# Altium PCB PCB1.PcbDoc (continued)
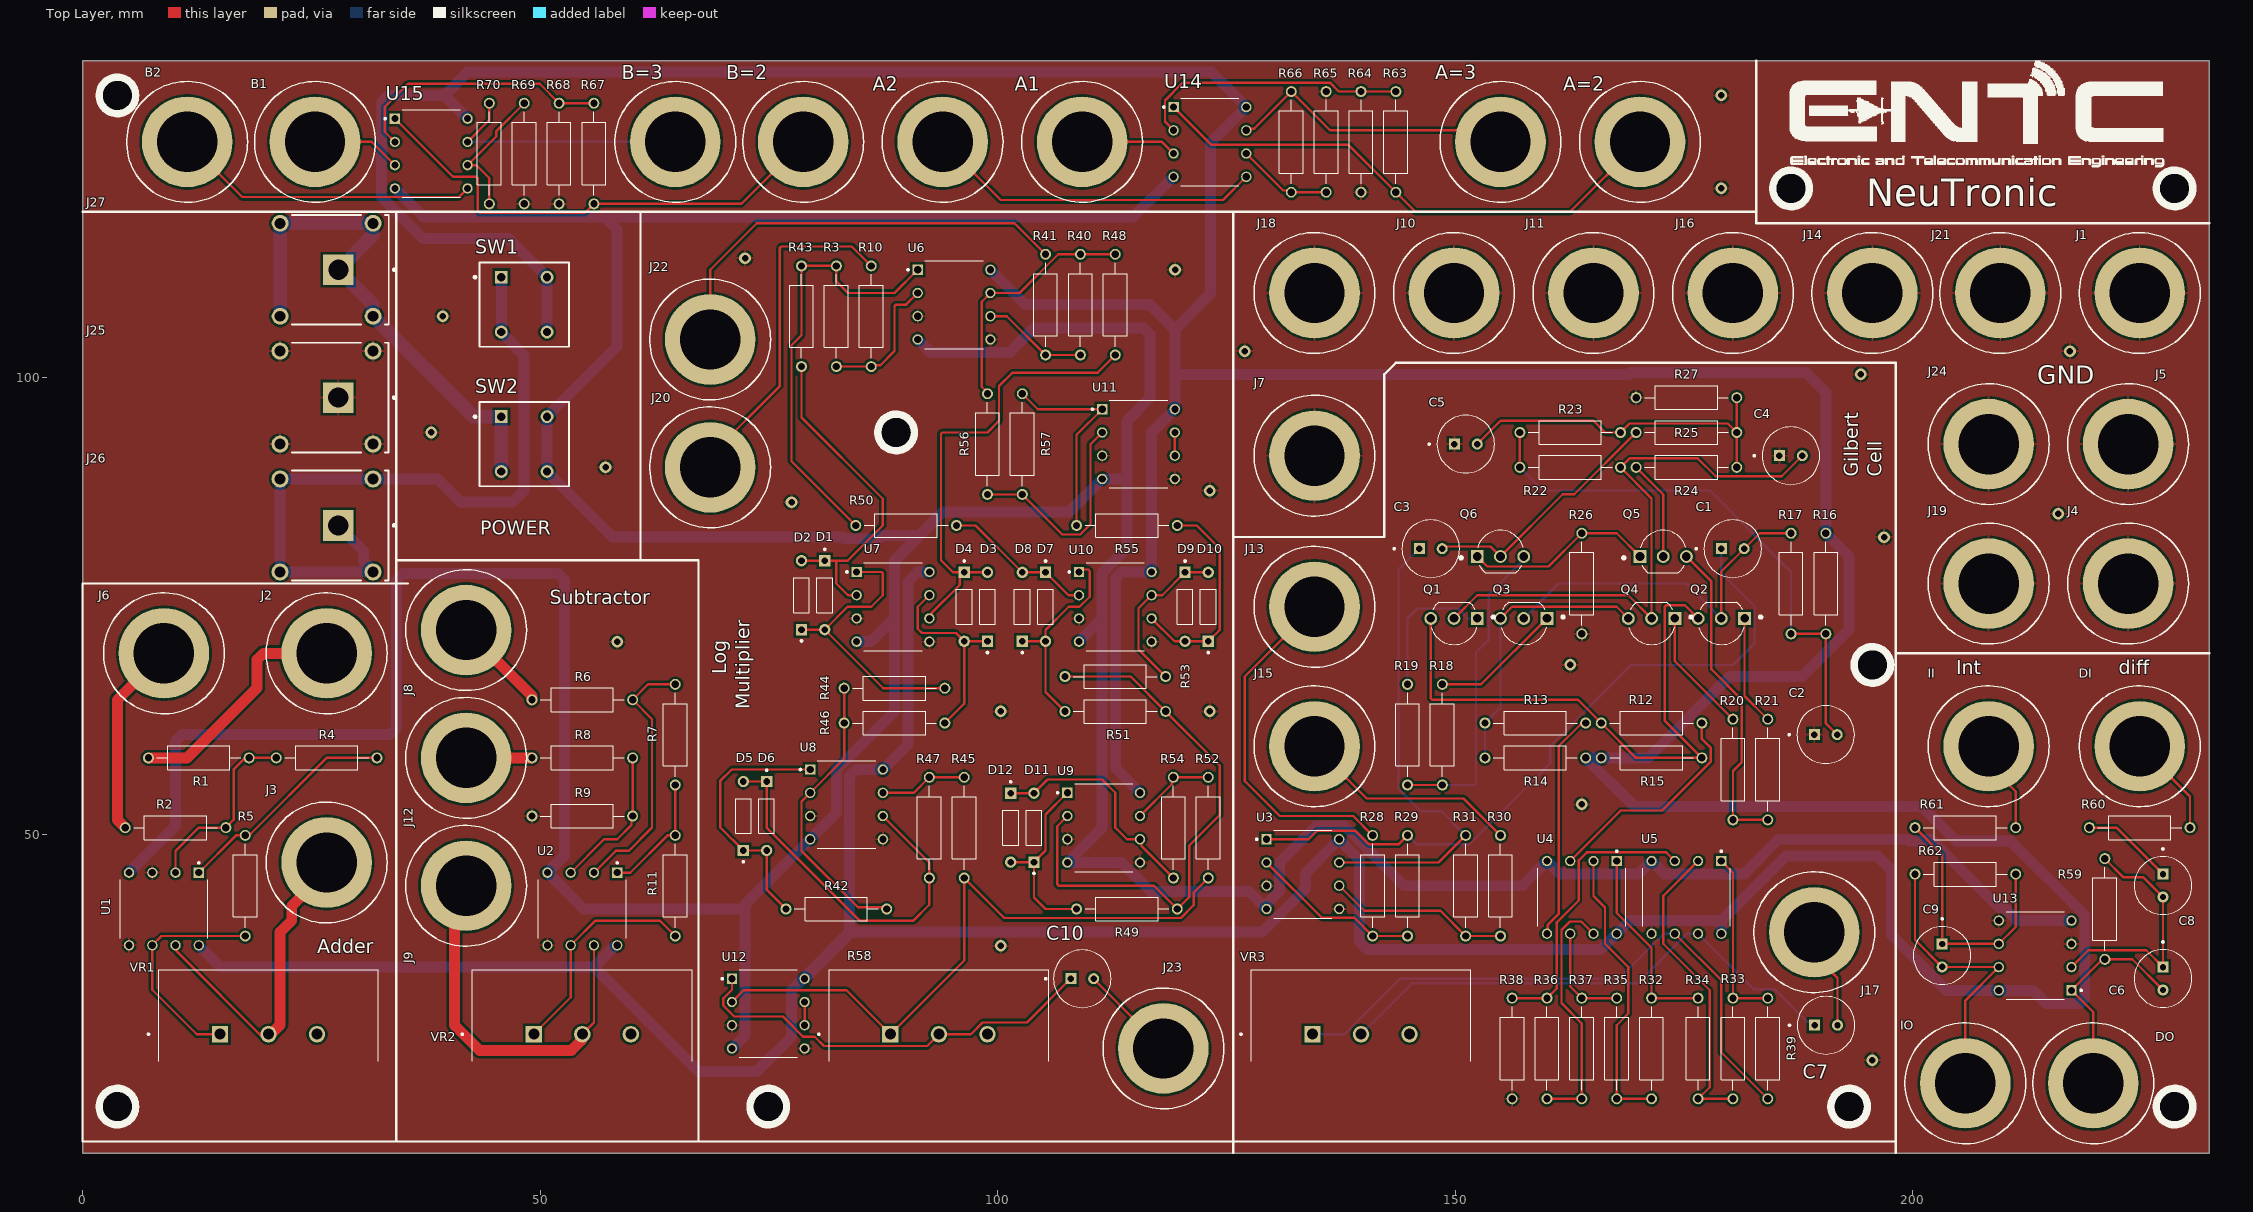
[diagram p0: Top Layer view]
## Components (designator, comment, footprint, x,y, rotation, side; value= is the part's Value field where it differs from the comment) (continued)
VR1 "PTN24A-A10025EB" TRIM_PTN24A-A10025EB 20.32,28.225 r0 top
VR2 "PTN24A-A10025EB" TRIM_PTN24A-A10025EB 54.61,28.225 r0 top
VR3 "PTN24A-A10025EB" TRIM_PTN24A-A10025EB 139.7,28.225 r0 top

## Footprints (in the part's own frame and the unit in brackets; to place one, negate y for a bottom-side part, rotate by r counter-clockwise, add the part's x,y. Pads: shape width x height; smd on the part's side, far side on the other; paste and mask are expansions set on the pad)
CAPPRD250W50D630H1250 [mm]
  round 1.208 hole 0.7: N(1.25,0)
  rect 1.208x1.208 / inner round 1.208 / far side rect 1.208x1.208 hole 0.7: P(-1.25,0)
  silkscreen extent -4.1,-3.15 3.15,3.15, body extent -3.15,-3.15 3.15,3.15, height 12.5
DIOAD753W49L380D172B [mm]
  round 1.238 hole 0.73: A(3.768,0)
  rect 1.238x1.238 / inner round 1.238 / far side rect 1.238x1.238 hole 0.73: K(-3.768,0)
  silkscreen extent -5.1,-0.86 1.9,0.86, body extent -4,-0.95 4,0.95, height 1.91
DIP794W45P254L959H508Q8 [mm]
  rect 1.13x1.13 / inner round 1.13 / far side rect 1.13x1.13 hole 0.78: 1(-3.97,3.81)
  round 1.13 hole 0.78: 2(-3.97,1.27) 3(-3.97,-1.27) 4(-3.97,-3.81) 5(3.97,-3.81) 6(3.97,-1.27) 7(3.97,1.27) 8(3.97,3.81)
  silkscreen extent -5.13,-4.8 3.18,4.8, body extent -4.15,-4.79 4.15,4.79, height 5.08
FP-1581-5-MFG [mm]
  round 9.9 hole 6.6 paste-2539.97 mask+0: 1(0,0)
  silkscreen extent -6.6,-6.6 6.6,6.6, body extent -6.7,-6.7 6.7,6.7, height 0.25
FP-FCR7350B-MFG [mm]
  rect 3.35x3.35 hole 2.2 paste-2539.97 mask+0: 1(11,0)
  round 1.85 hole 1.2 paste-2539.97 mask+0: 2(4.64,5.08) 3(14.8,5.08) 4(4.64,-5.08) 5(14.8,-5.08)
  silkscreen extent 5.94,-6 17.22,6, body extent -16.6,-6.1 16.6,6.1, height 0.25
FP-PVA1EEH11_2NV2-MFG [mm]
  rect 1.4x1.4 hole 0.9 paste-2539.97 mask+0: 1(-2.5,3)
  round 1.4 hole 0.9 paste-2539.97 mask+0: 1'(-2.5,-3) 2(2.5,3) 2'(2.5,-3)
  silkscreen extent -5.5,-4.6 4.9,4.6, body extent -5,-4.7 5,4.7, height 0.25
RESAD1100W55L680D260 [mm]
  round 1.2 hole 0.8: 1(-5.5,0) 2(5.5,0)
  silkscreen extent -4.58,-1.3 4.58,1.3, body extent -5.77,-1.2 5.77,1.2, height 2.4
TO92254P520H877-3 [mm]
  rect 1.41x1.41 / inner round 1.41 / far side rect 1.41x1.41 hole 0.94: 1(-2.54,-0.853)
  round 1.41 hole 0.94: 2(0,-0.853) 3(2.54,-0.853)
  silkscreen extent -4.44,-2.62 2.47,2.01, body extent -2.83,-1.43 2.83,2.19, height 8.77
TRIM_PTN24A-A10025EB [mm]
  rect 1.8x1.8 / inner round 1.8 / far side rect 1.8x1.8 hole 1.2: 1(-5.3,0)
  round 1.8 hole 1.2: 2(0,0) 3(5.3,0)
  silkscreen extent -13.22,-2.95 12,7.05, body extent -12.19,-27.66 12.16,7.34, height 12.2

## Part data
A1 A2 A=2 A=3 B1 B2 B=2 B=3 DI DO II IO J1 J2 J3 J4 J5 J6 J7 J8 J9 J10 J11 J12 J13 J14 J15 J16 J17 J18 J19 J20 J21 J22 J23 J24: library part CMP-73906-000011-1, "CONN BANANA JACK TURRET GREEN", Color=Green, Current Rating=15A, Package Quantity=1, Voltage Rating=2.5kV, Voltage Rating (AC)=30V, Voltage Rating (DC)=60V, Body Material=PC, Contact Material=Brass, Contact Plating=Tin, Diameter=4.22mm, Gender=Female, Height=0.25inch, Housing Color=Green, Housing Material=Polycarbonate, Insulation="Mating End Insulated", Insulation Material=Polycarbonate, Lead Free="Lead Free", Length=1.22inch, Max Current Rating=15A, Mount=Panel, Number of Contacts=1, Number of Ports=1, Number of Positions=1, Orientation=Straight, Packaging=Bag, REACH SVHC="No SVHC", RoHS Compliant=Yes, Series=1581, Termination=Turret, Weight=0.126lb, Width=4inch
C1 C2 C3 C4 C5 C7 C10: "CAP ALUM 680UF 20% 63V THRU HOLE", Package="RADIAL-2 Panasonic", Availability="In Stock", Check_prices=https://www.snapeda.com/parts/EEU-FS1J681S/Panasonic/view-part/5562022/?ref=eda, MF="Panasonic Electronic Components", MP=EEU-FS1J681S, Price=None, SnapEDA_Link=https://www.snapeda.com/parts/EEU-FS1J681S/Panasonic/view-part/5562022/?ref=snap
C6 C8 C9: library part EEUFS1J681S, "CAP ALUM 680UF 20% 63V THRU HOLE", Package="RADIAL-2 Panasonic", Availability="In Stock", Check_prices=https://www.snapeda.com/parts/EEU-FS1J681S/Panasonic/view-part/5562022/?ref=eda, MF="Panasonic Electronic Components", MP=EEU-FS1J681S, Price=None, SnapEDA_Link=https://www.snapeda.com/parts/EEU-FS1J681S/Panasonic/view-part/5562022/?ref=snap
D1 D2 D3 D4 D5 D6 D7 D8 D9 D10 D11 D12: "Diode Standard 75V 200mA Surface Mount SOD-523F", Package="AXIAL LEAD-2 ON Semiconductor", Check_prices=https://www.snapeda.com/parts/1N4148/Onsemi/view-part/?ref=eda, MF="ON Semiconductor", MP=1N4148, SnapEDA_Link=https://www.snapeda.com/parts/1N4148/Onsemi/view-part/?ref=snap
J25 J26 J27: library part CMP-213418-000001-1, "4MM PANEL SKT S16N-PC BLACK", Color=Black, Current Rating=24A, Voltage Rating=1kV, Connector Type=Socket, Contact Material=Gold, Contact Plating=Gold, Gender=Receptacle, Height=1.3inch, Insulation Material=PVC, Length=0.47inch, Mount="Through Hole", Pin Diameter=4mm, REACH SVHC="No SVHC", RoHS Compliant=Yes, Termination="Through Hole", Voltage Rating (DC)=1kV, Weight=0.1lb, Width=0.43inch
Q1 Q2 Q3 Q4 Q5 Q6: "Transistor General Purpose BJT NPN 40 Volt 0.2 Amp 3-Pin TO-92 Tape And Reel", Package="TO-92-3 ON Semiconductor", Check_prices=https://www.snapeda.com/parts/2N3904TF/Fairchild+Imaging/view-part/?ref=eda, MF="Fairchild Semiconductor", MP=2N3904TF, SnapEDA_Link=https://www.snapeda.com/parts/2N3904TF/Fairchild+Imaging/view-part/?ref=snap
R1 R2 R3 R4 R5 R6 R7 R8 R9 R10 R11 R12 R13 R14 R15 R16 R17 R18 R19 R20 R21 R22 R23 R24 R25 R26 R27 R28 R29 R30 R31 R32 R33 R34 R35 R36 R37 R38 R39 R40 R41 R42 R43 R44 R45 R46 R47 R48 R49 R50 R51 R52 R53 R54 R55 R56 R57 R59 R60 R61 R62 R63 R64 R65 R66 R67 R68 R69 R70: "1.07 kOhms Â±1% 0.25W, 1/4W Through Hole Resistor Axial - Metal Film", Package="RADIAL-2 YAGEO", Check_prices=https://www.snapeda.com/parts/MFR-25FBF52-1K/Yageo/view-part/?ref=eda, MF=Yageo, MP=MFR-25FBF52-1K, SnapEDA_Link=https://www.snapeda.com/parts/MFR-25FBF52-1K/Yageo/view-part/?ref=snap
R58 VR1 VR2 VR3: "100k Ohm 1 Gang Linear Panel Mount Potentiometer 1.0 Turns Carbon 0.5W, 1/2W PC Pins", Package=Package, Check_prices=https://www.snapeda.com/parts/PTN24A-A10025EB/Same+Sky/view-part/?ref=eda, MF="Same Sky", MP=PTN24A-A10025EB, SnapEDA_Link=https://www.snapeda.com/parts/PTN24A-A10025EB/Same+Sky/view-part/?ref=snap
SW1 SW2: library part CMP-10035-000009-1, "SWITCH PUSH DPST 0.1A 32V", Current Rating=100mA, Max Operating Temperature=85°C, Min Operating Temperature=-40°C, Voltage Rating (DC)=32V, Electrical Life=100000Cycles, Mount="Through Hole", Packaging=Bulk, RoHS Compliant=Yes, Series=PVA, Switch Function=Off-On, Termination="PC Pin", Throw Configuration=DPST
U1 U2 U3 U4 U5 U6 U7 U8 U9 U10 U11 U12 U13 U14 U15: "Dual, 30-V, 10-MHz, low-noise operational amplifier for audio applications", Package="PDIP-8 Texas", Check_prices=https://www.snapeda.com/parts/NE5532P/Texas+Instruments/view-part/?ref=eda, MF="Texas Instruments", MP=NE5532P, SnapEDA_Link=https://www.snapeda.com/parts/NE5532P/Texas+Instruments/view-part/?ref=snap

## Free pads (board coordinates)
  round 1.524 hole 3.2: 13(228.6,120.65) 14(228.6,20.32) 15(3.81,130.81) 16(3.81,20.32) 17(74.93,20.32) 18(193.04,20.32) 19(186.69,120.65) 20(88.9,93.98) 21(195.58,68.58)

## Via types
v1: diameter 1.27, hole 0.711, Top Layer to Bottom Layer, 21 vias

## Nets (pads, with @x,y where several pads share a name; then routed paths per layer and width w, separated by ;. In a path a pad name is that pad's centre, name@x,y a point inside that pad or via, vN(x,y) a via of type N, cw(c..) or ccw(c..) an arc to the next point about the centre after c; other vN are vias at no path point)
+12: R14.2 R15.2 R16.2 SW1.2 SW1.2' U1.8 U2.8 U3.8 U4.8 U5.8 U6.8 U7.8 U8.8 U9.8 U10.8 U11.8 U12.8 U13.8 U14.8 U15.8 | length 759.2
  Bottom Layer w1.2: U1.8 15.08,35.56 55.88,35.56 ; U15.8 39.53,130.81 ; SW1.2' SW1.2 46.526,115.184 37.216,115.184 32.676,119.724 32.676,124.116 32.711,124.151 32.711,130.107 33.414,130.81 39.53,130.81 ; U2.8@58.144,37.824 55.88,35.56 ; U12.8 83.98,39.37 128.896,39.37 133.651,44.125 133.651,45.861 U3.8 138.062,48.788 138.062,48.745 139.516,47.291 139.516,38.348 140.368,37.496 165.926,37.496 U4.8 169.07,40.64 179.07,40.64 ; U7.8 91.26,78.74 90.174,77.654 90.174,59.874 U8.8 84.539,57.15 83.824,56.436 83.824,39.374 78.82,34.37 77.481,33.031 77.481,27.951 73.66,24.13 67.31,24.13 55.88,35.56 ; U6.8 103.01,107.95 116.66,107.95 119.36,105.25 ; U9.8 112.85,57.31 112.85,78.037 113.553,78.74 U10.8 116.82,93.98 U11.8 119.36,100.33 ; U5.8 179.07,40.64 ; 39.53,130.81 42.07,133.35 123.35,133.35 U14.8 123.26,125.64 123.26,109.15 119.36,105.25 ; 119.36,100.33 119.36,105.25 ; 119.36,100.33 168.91,100.33 169.094,100.514 188.343,100.514 190.5,98.357 R16.2 193.04,80.43 193.04,72.454 187.896,67.31 179.974,67.31 171.084,58.42 R15.2 R14.2 169.566,53.104 200.989,53.104 204.747,49.346 210.68,49.346 218.784,41.242 218.784,32.136 218.249,31.601 214.529,31.601 213.11,33.02 U13.8 203.698,33.02 197.666,39.052 197.666,46.174 196.126,47.714 186.144,47.714 179.07,40.64
+u3in: R36.2 R38.2 U5.3 | length 31.5
  Top Layer w0.254: R38.2 R36.2 161.106,33.256 161.106,40.456 163.506,42.856 163.506,47.229 164.373,48.096 173.044,48.096 U5.3
+u4in: R12.2 U4.3 | length 24.5
  Top Layer w0.254: U4.3 168.076,52.666 172.583,52.666 177.931,58.014 177.931,59.503 176.95,60.484 R12.2
+u5in: R13.2 U4.5 | length 25
  Top Layer w0.254: U4.5 160.088,39.278 160.088,40.156 161.29,41.358 161.29,59.69 163.649,62.049 164.069,62.049 R13.2
-12: SW2.2 SW2.2' U1.4 U2.4 U3.4 U4.4 U5.4 U6.4 U7.4 U8.4 U9.4 U10.4 U11.4 U12.4 U13.4 U14.4 U15.4 | length 611.6
  Bottom Layer w1.2: U1.4 10.16,50.96 10.16,60.257 10.863,60.96 33.587,60.96 34.29,61.663 34.29,77.853 34.993,78.556 51.979,78.556 52.682,77.853 52.682,47.762 U2.4 54.77,41.91 72.39,41.91 ; U15.4 37.274,117.506 55.88,117.506 57.051,117.506 ; U12.4 72.39,28.1 72.39,34.29 72.379,34.301 72.379,35.209 ; 72.39,35.709 72.39,41.91 ; U7.4 86.18,71.12 88.72,73.66 ; U6.4 92.679,102.721 101.271,102.721 103.96,105.41 115.957,105.41 116.66,104.707 116.66,97.79 114.12,95.25 114.12,88.9 ; U10.4 111.396,73.636 ; U14.4 114.806,117.506 57.051,117.506 ; U13.4 211.397,40.64 209.978,42.059 209.401,42.059 201.975,49.485 200.981,49.485 200.842,49.346 199.638,49.346 199.454,49.53 185.337,49.53 181.538,45.731 172.869,45.731 U5.4 170.031,45.731 161.439,45.731 U4.4 157.32,44.45 144.414,44.45 139.516,49.348 139.516,49.39 137.922,50.984 134.804,50.984 130.799,46.979 130.799,43.862 129.38,42.443 U3.4 127.444,43.846 116.687,43.846 113.543,46.99 U9.4 111.396,50.776 111.396,73.636 ; 57.051,117.506 58.42,116.137 58.42,103.37 SW2.2 SW2.2' 57.92,82.55 83.021,82.55 83.205,82.366 86.963,82.366 87.331,82.734 91.444,82.734 ; 72.39,41.91 72.39,42.41 U8.4 82.37,52.39 82.37,57.15 88.72,63.5 88.72,73.66 ; 88.72,73.66 88.72,80.01 91.444,82.734 ; 91.444,82.734 93.984,85.274 107.794,85.274 U11.4 114.12,88.9 ; 111.396,73.636 111.396,78.639 114.12,81.363 114.12,88.9
-u3in: R33.1 R34.2 U5.2 | length 34
  Top Layer w0.254: U5.2 172.72,43.34 172.72,38.1 177.8,33.02 177.8,22.44 R34.2 R33.1
-u4in: R32.1 R35.2 U4.2 | length 31.9
  Top Layer w0.254: U4.2 165.1,43.339 166.37,42.069 166.37,38.1 168.91,35.56 168.91,30.48 167.64,29.21 R35.2 R32.1
-u5in: R35.1 R37.2 U4.6 | length 11.4
  Top Layer w0.254: U4.6 162.56,33.44 R37.2 R35.1
-u6in: R39.1 U5.6 VR3.1 | length 66.4
  Top Layer w0.254: U5.6 179.063,34.137 179.063,26.257 R39.1
  Bottom Layer w0.254: VR3.1 137.888,28.225 143.953,34.29 167.867,34.29 172.788,39.21 U5.6
-Vy: R55.1 R57.2 U11.1 | length 23.3
  Top Layer w0.254: R57.2 104.38,96.52 U11.1 108.62,93.72 R55.1
GND: C2.P C4.P C5.P J1.1 J4.1 J5.1 J7.1 J10.1 J11.1 J14.1 J16.1 J18.1 J19.1 J21.1 J24.1 J25.1 J25.2 J25.3 J25.4 J25.5 R9.1 R26.1 R27.1 R38.1 R64.1 R65.1 R68.1 R69.1 U1.3 U1.5 U2.5 U3.3 U3.5 U5.5 U6.3 U6.5 U7.3 U7.5 U8.3 U8.5 U9.3 U9.5 U10.3 U10.5 U11.3 U11.5 U12.3 U12.5 U13.3 U13.5
  other v1: 195.58,25.4 100.33,37.881 163.83,53.34 100.33,63.5 123.19,63.5 162.56,68.58 58.42,71.12 196.85,82.55 215.9,85.09 77.47,86.36 123.19,87.63 57.15,90.17 38.1,93.98 194.31,100.33 127,102.87 217.17,102.87 39.37,106.68 119.38,111.76 72.39,113.03 179.07,120.65 179.07,130.81
NEGIN: J27.1 J27.2 J27.3 J27.4 J27.5 SW2.1 SW2.1' | length 58.2
  Bottom Layer w1.5: J27.4 J27.2 J27.3 31.683,116.773 31.683,115.493 J27.1 31.683,108.027 31.683,106.747 J27.5 42.72,95.71 SW2.1 SW2.1'
NetA1_1: A1.1 U14.3 | length 11.8
  Top Layer w0.254: A1.1 117.95,125.73 U14.3 ; A1.1@110.49,124.46 A1.1@110.49,125.73
NetA2_1: A2.1 U14.5 | length 36.9
  Top Layer w0.254: A2.1 100.33,119.38 124.62,119.38 U14.5
NetA=2_1: A=2.1 R63.2 U14.1 | length 58.9
  Top Layer w0.254: U14.1 123.354,125.406 138.334,125.406 R63.2 145.63,118.11 162.56,118.11 A=2.1
NetA=3_1: A=3.1 R66.2 U14.7 | length 31.8
  Top Layer w0.254: U14.7 127.328,127.168 128.018,127.168 R66.2 136.31,127 153.67,127 A=3.1
NetB1_1: B1.1 U15.3 | length 9.8
  Top Layer w0.254: B1.1 31.59,125.73 U15.3
NetB2_1: B2.1 U15.5 | length 33.5
  Top Layer w0.254: B2.1 17.456,119.704 41.124,119.704 U15.5
NetB=2_1: B=2.1 R67.2 U15.1 | length 54.2
  Top Layer w0.254: U15.1 40.48,121.92 43.031,121.92 43.18,121.771 43.18,118.202 43.403,117.979 54.899,117.979 R67.2 71.97,118.96 B=2.1
NetB=3_1: B=3.1 R70.2 U15.7 | length 27.9
  Top Layer w0.254: U15.7 44.45,128.11 R70.2
  Bottom Layer w0.254: U15.7 B=3.1
NetC1_N: C1.N Q2.2 Q3.2 R17.1 | length 39.2
  Top Layer w0.254: Q2.2 179.07,78.78 C1.N 183.26,82.97 R17.1
  Bottom Layer w0.254: Q3.2 161.29,77.47 175.26,77.47 Q2.2
NetC2_N: C2.N R16.1 R17.2 R22.2 R23.2 | length 60.3
  Top Layer w0.254: R22.2 R23.2 ; R17.2 R16.1 190.5,62.19 C2.N
  Bottom Layer w0.254: R22.2 159.6,87.63 177.8,87.63 186.69,78.74 R17.2
NetC3_N: C3.N Q6.2 R25.1 | length 27.4
  Top Layer w0.254: C3.N 148.828,81.28 149.062,81.513 153.854,81.513 Q6.2 161.736,87.224 163.004,87.224 R25.1
NetC4_N: C4.N Q1.2 Q4.2 R22.1 | length 63.6
  Top Layer w0.254: Q1.2 152.4,76.2 168.91,76.2 Q4.2 171.45,86.78 R22.1 169.041,91.151 176.502,91.151 178.464,89.189 185.669,89.189 C4.N
NetC5_N: C5.N R23.1 R24.2 R25.2 R27.2 | length 38.4
  Top Layer w0.254: C5.N 154.94,95.25 165.1,95.25 166.37,93.98 R23.1 169.041,94.961 179.779,94.961 R25.2 ; R24.2 R25.2 ; R27.2 R25.2
NetC6_N: C6.N DO.1 R59.1 U13.1 | length 23.9
  Top Layer w0.254: DO.1 219.71,30.64 U13.1 220.539,36.229 220.799,36.229 R59.1 223.98,36.41 C6.N
NetC6_P: C6.P C8.N R59.2 U13.2 | length 27.3
  Top Layer w0.254: U13.2 219.161,37.391 225.499,37.391 C6.P C8.N 225.189,45.361 223.029,45.361 R59.2
NetC7_N: C7.N J17.1 | length 11.2
  Top Layer w0.254: J17.1 189.23,36.911 191.77,34.371 C7.N
NetC8_P: C8.P R60.2 | length 10.1
  Top Layer w0.254: R60.2 222.25,50.8 C8.P
NetC9_N: C9.N IO.1 R62.1 U13.7 | length 31.8
  Top Layer w0.254: R62.1 200.24,38.54 C9.N 203.21,35.57 209.38,35.57 U13.7 205.74,31.91 IO.1
NetC9_P: C9.P R61.2 R62.2 U13.6 | length 28.5
  Top Layer w0.254: R61.2 203.2,47.84 C9.P 203.22,38.1 U13.6 211.24,39.95 R62.2
NetC10_N: C10.N J23.1 | length 10.8
  Top Layer w0.254: C10.N@110.47,34.29 110.48,34.29 118.1,26.67 J23.1
NetD5_A: D5.A D6.K R47.2 U8.6 | length 42.1
  Top Layer w0.254: D5.A D6.K 74.75,50.8 84.91,40.64 90.808,40.64 92.53,42.362 R47.2 92.53,46.99 U8.6
NetD5_K: D5.K D6.A R42.2 U8.1 | length 28.8
  Top Layer w0.254: R42.2 74.75,44.03 D6.A D5.K 69.67,50.842 69.67,55.88 70.94,57.15 U8.1
NetD11_A: D11.A D12.K R54.2 U9.6 | length 25.4
  Top Layer w0.254: D12.K D11.A 105.456,56.064 111.396,56.064 112.85,54.61 112.85,50.8 114.12,49.53 U9.6 115.718,49.362 115.718,48.782 R54.2
NetD11_K: D11.K D12.A R49.2 U9.1 | length 20.7
  Top Layer w0.254: D12.A D11.K ; U9.1 105.23,52.23 105.23,48.302 D11.K ; R49.2 105.23,41.91 103.96,43.18 D11.K
NetDI_1: DI.1 R60.1 | length 11.2
  Top Layer w0.254: DI.1 230.29,54.19 R60.1
NetII_1: II.1 R61.1 | length 10.1
  Top Layer w0.254: II.1 208.28,57.709 211.24,54.749 R61.1
NetJ2_1: J2.1 R1.1 | length 26
  Top Layer w1.2: R1.1 11.43,58.42 19.05,66.04 19.05,69.147 19.753,69.85 J2.1
NetJ6_1: J6.1 R2.1 | length 21.5
  Top Layer w1.2: R2.1 3.81,51.65 3.81,64.77 J6.1
NetJ8_1: J8.1 R6.1 | length 10.6
  Top Layer w1.2: J8.1 49.11,65.19 R6.1
NetJ12_1: J12.1 R8.1 | length 7.2
  Top Layer w1.2: J12.1 R8.1
NetJ20_1: J20.1 R10.1 | length 38.1
  Top Layer w0.254: J20.1 68.58,91.44 76.2,99.06 76.2,114.151 76.349,114.3 84.06,114.3 R10.1
NetJ22_1: J22.1 R41.1 | length 47.3
  Top Layer w0.254: J22.1@68.58,104.64 68.58,111.76 73.66,116.84 101.84,116.84 R41.1
NetQ1_1: Q1.1 R19.2 | length 16.6
  Top Layer w0.254: Q1.1@151.822,73.082 Q1.1
  Bottom Layer w0.254: R19.2 144.78,73.66 145.866,74.746 150.31,74.746 150.946,74.11 150.946,74.028 151.314,73.66 Q1.1
NetQ1_3: Q1.3 Q2.3 R12.1 R15.1 | length 63.6
  Top Layer w0.254: Q1.3 147.32,64.919 147.469,64.77 163.41,64.77 R12.1 169.76,58.42 R15.1 172.904,62.466 172.904,74.965 173.053,75.114 175.076,75.114 Q2.3
NetQ2_1: Q2.1 R21.2 | length 12.1
  Top Layer w0.254: Q2.1 181.61,65.19 R21.2
NetQ3_1: Q3.1 R18.2 | length 14.4
  Top Layer w0.254: R18.2 152.82,66.46 Q3.1
NetQ3_3: Q3.3 Q4.3 R13.1 R14.1 | length 31
  Top Layer w0.254: Q3.3 156.21,74.93 167.64,74.93 Q4.3
  Bottom Layer w0.254: R14.1 R13.1 154.94,63.92 Q3.3
NetQ4_1: Q4.1 R20.2 | length 13.6
  Top Layer w0.254: Q4.1 173.99,69 R20.2
NetQ5_1: Q5.1 Q6.1 R26.2 | length 20.8
  Top Layer w0.254: Q6.1 153.486,79.341 160.202,79.341 R26.2 167.638,82.97 Q5.1
NetQ5_2: Q5.2 R24.1 | length 11
  Top Layer w0.254: R24.1 172.72,87.21 Q5.2
NetQ5_3: Q5.3 R20.1 R21.1 | length 35.5
  Top Layer w0.254: Q5.3 177.984,77.703 177.984,68.098 181.321,64.761 181.321,57.972 180.34,56.991 R20.1 R21.1
NetQ6_3: Q6.3 R18.1 R19.1 | length 34.5
  Top Layer w0.254: R19.1 R18.1
  Bottom Layer w0.254: R18.1 152.12,55.46 152.269,55.609 152.269,69.963 153.67,71.364 153.67,76.305 157.48,80.115 Q6.3
NetR3_1: R3.1 R10.2 U6.2 | length 15.1
  Top Layer w0.254: R3.1 R10.2 86.311,101.311 87.161,101.311 88.72,102.87 88.72,107.801 88.869,107.95 89.99,107.95 U6.2
NetR40_1: R40.1 R41.2 U6.6 | length 11.6
  Top Layer w0.254: U6.6 101,106.68 R41.2 R40.1
NetR42_1: R42.1 R44.2 R46.2 U8.2 | length 31.7
  Top Layer w0.254: R44.2 R46.2 83.22,58.32 U8.2 78.56,53.66 78.56,48.26 84.729,42.091 87.689,42.091 R42.1
NetR45_2: R45.2 R52.2 R58.1 U12.2 | length 71.3
  Top Layer w0.254: U12.2 72.23,33.02 83.485,33.02 R58.1 96.34,36.285 R45.2 100.711,40.929 120.026,40.929 121.428,42.33 121.428,43.718 R52.2
NetR49_1: R49.1 R51.2 R53.2 U9.2 | length 60.7
  Top Layer w0.254: R53.2 114.54,67.31 R51.2 124.28,57.57 124.28,52.198 120.92,48.838 120.92,43.21 R49.1 117.08,44.45 106.649,44.45 106.5,44.599 106.5,50.96 U9.2
NetR56_2: R56.2 R57.1 U11.2 | length 24.1
  Top Layer w0.254: R56.2 R57.1 107.061,82.839 109.026,82.839 110.139,83.952 110.139,92.699 U11.2
NetR63_1: R63.1 R64.2 U14.2 | length 30.1
  Top Layer w0.254: U14.2 118.274,127.946 118.274,130.263 120.222,132.211 136.296,132.211 137.277,131.23 R64.2 R63.1
NetR65_2: R65.2 R66.1 U14.6 | length 10.5
  Top Layer w0.254: U14.6 131.209,120.411 131.899,120.411 R66.1 R65.2
NetR67_1: R67.1 R68.2 U15.2 | length 29.1
  Top Layer w0.254: U15.2 33.02,126.84 33.02,129.54 35.56,132.08 49.95,132.08 R68.2 R67.1
NetR69_2: R69.2 R70.1 U15.6 | length 15.1
  Top Layer w0.254: R70.1 44.45,121.771 43.05,123.171 42.089,123.171 U15.6 45.218,126.338 45.218,126.918 R69.2
NetU11_6: U11.6 U11.7 | length 2.5
  Top Layer w0.254: U11.6 U11.7
NetU12_6: U12.6 U12.7 | length 2.5
  Top Layer w0.254: U12.6 U12.7
op1: R1.2 R2.2 R4.2 U1.2 | length 20.8
  Top Layer w0.254: U1.2 10.16,48.26 12.7,50.8 R2.2 16.51,51.65 16.51,57.15 17.599,58.239 18.019,58.239 R1.2 R4.2
op2: R5.2 U1.6 VR1.1 | length 24.8
  Top Layer w0.254: VR1.1 12.48,28.225 7.62,33.085 U1.6 8.63,38.95 R5.2
op11: R6.2 R7.2 U2.2 | length 28.6
  Top Layer w0.254: U2.2 58.26,48.26 59.69,48.26 62.23,50.8 62.23,62.65 R6.2 61.8,66.46 R7.2
op12: R8.2 R9.2 U2.3 | length 16.2
  Top Layer w0.254: U2.3 56.99,49.53 58.42,49.53 59.979,51.089 59.979,51.939 R9.2 R8.2
op22: R11.2 U2.6 VR2.1 | length 24.6
  Top Layer w0.254: VR2.1 53.34,32.255 U2.6 ; U2.6@53.34,38.1 53.5,38.1 56.04,40.64 63.08,40.64 R11.2
out1: R4.1 R5.1 U1.1 | length 24.7
  Top Layer w0.254: U1.1 16.77,49.95 R5.1 17.961,50.131 18.381,50.131 26.67,58.42 R4.1
out2: J3.1 U1.7 VR1.2 | length 35.8
  Top Layer w0.254: U1.7 10.305,37.795 10.305,37.255 VR1.2@19.97,27.59
  Top Layer w1.2: VR1.2@20.462,28.205 20.782,28.525 20.887,28.525 21.59,29.228 21.59,39.37 22.86,40.64 22.86,42.248 26.67,46.058 J3.1
out11: R7.1 R11.1 U2.1 | length 13.5
  Top Layer w0.254: U2.1 59.85,45.88 63.92,49.95 R11.1 R7.1
out22: J9.1 U2.7 VR2.2 | length 42
  Top Layer w0.254: VR2.2 55.88,29.495 U2.7@55.88,37.756
  Top Layer w1.2: J9.1 40.64,43.18 40.64,29.21 43.379,26.471 53.408,26.471 54.495,27.558 54.495,28.11 VR2.2
POSIN: J26.1 J26.2 J26.3 J26.4 J26.5 SW1.1 SW1.1' | length 79.6
  Bottom Layer w1.2: J26.1 30.712,81.048 30.712,79.944 31.74,78.916 J26.5 J26.4 J26.2 J26.3 38.773,88.9 41.313,86.36 46.99,86.36 48.26,87.63 48.26,102.396 45.76,104.896 SW1.1' SW1.1
u1in: R28.1 R29.1 U3.2 | length 18.7
  Top Layer w0.254: U3.2 135.406,40.964 138.956,40.964 R28.1 R29.1
u1out: C1.P R29.2 U3.1 | length 77.2
  Top Layer w0.254: U3.1 133.964,49.53 134.91,50.476 139.057,50.476 140.564,48.969 143.799,48.969 R29.2
  Bottom Layer w0.254: R29.2 145.761,48.969 151.536,48.969 160.375,57.807 160.375,59.742 169.213,68.58 180.34,68.58 182.696,70.936 182.696,74.987 179.07,78.613 C1.P
u2in: R30.1 R31.1 U3.6 | length 19.9
  Top Layer w0.254: U3.6 140.063,41.707 148.373,41.707 R31.1 R30.1
u2out: C3.P R31.2 U3.7 | length 51.6
  Top Layer w0.254: U3.7 148.17,46.99 R31.2
  Bottom Layer w0.254: C3.P 143.799,79.009 143.799,55.054 146.26,52.592 148.488,52.592 R31.2
u3out: R33.2 R39.2 U5.1 | length 19.3
  Top Layer w0.254: U5.1 180.34,45.88 R33.2 R39.2
u4out: R32.2 R34.1 U4.1 | length 21.6
  Top Layer w0.254: U4.1 167.64,41.474 171.45,37.664 R32.2 R34.1
u5out: R36.1 R37.1 U4.7 | length 27.6
  Top Layer w0.254: R36.1 R37.1 163.83,29.406 161.614,31.622 161.614,39.602 162.547,40.535 163.775,40.535 U4.7
u6out: C7.P U5.7 VR3.2 | length 58.3
  Bottom Layer w0.254: VR3.2 145.257,33.782 169.899,33.782 175.328,39.21 U5.7 182.589,33.151 184.869,33.151 188.434,29.586 188.894,29.586 C7.P
u71in: D1.K D2.A R43.2 U7.2 | length 36.8
  Top Layer w0.254: D2.A D1.K 82.369,79.969 ; R43.2 78.56,95.624 87.45,86.734 87.45,83.82 83.599,79.969 82.369,79.969 ; U7.2 83.64,76.2 82.369,77.471 82.369,79.969
u71o: D1.A D2.K R44.1 U7.1 | length 31.5
  Top Layer w0.254: D2.K D1.A ; U7.1 87.301,78.74 87.45,78.591 87.45,76.2 86.18,74.93 83.599,74.93 D1.A ; R44.1 87.492,66.04 D1.A
u72in: D3.A D4.K R48.2 U7.6 | length 50.9
  Top Layer w0.254: U7.6 92.53,73.897 92.782,74.149 92.782,74.238 95.848,77.304 95.848,78.207 D4.K ; D3.A D4.K ; R48.2 110.916,100.516 101.606,100.516 100.15,99.06 100.15,95.25 98.88,93.98 93.949,93.98 93.8,93.831 93.8,80.01 95.112,78.699 D4.K
u72o: D3.K D4.A R46.1 U7.7 | length 22.2
  Top Layer w0.254: U7.7 91.26,74.93 91.26,72.539 91.733,72.066 95.436,72.066 D4.A ; R46.1 96.34,64.35 D4.A ; D3.K D4.A
u82o: R45.1 R47.1 U8.7 | length 9.6
  Top Layer w0.254: U8.7 90.84,54.61 R47.1 R45.1
u92o: R52.1 R54.1 U9.7 | length 9.6
  Top Layer w0.254: U9.7 119.019,55.539 119.019,56.119 R54.1 R52.1
u101in: D7.K D8.A R50.2 U10.2 | length 16.5
  Top Layer w0.254: R50.2 97.569,83.82 D8.A D7.K 107.729,76.2 U10.2
u101o: D7.A D8.K R51.1 U10.1 | length 22.8
  Top Layer w0.254: D8.K D7.A ; R51.1 105.23,65.62 D7.A ; U10.1 109.141,79.001 109.9,79.001 110.049,78.852 110.049,76.031 108.948,74.93 107.77,74.93 105.23,72.39 D7.A
u102in: D9.A D10.K R55.2 U10.6 | length 23.6
  Top Layer w0.254: U10.6 119.319,71.162 D9.A D10.K 124.28,72.432 124.28,81.28 121.74,83.82 R55.2
u102o: D9.K D10.A R53.1 U10.7 | length 17.9
  Top Layer w0.254: R53.1 115.39,70.27 115.39,74.77 U10.7 117.972,76.2 D9.K D10.A
Vout: C10.P R58.2 U12.1 | length 46.2
  Top Layer w0.254: U12.1 70.96,33.088 70.014,32.142 70.014,31.358 71.216,30.156 76.524,30.156 78.74,27.94 80.01,27.94 81.006,26.944 92.299,26.944 R58.2 97.068,28.225 98.349,29.506 103.186,29.506 C10.P@107.97,34.29
Vx: R3.2 R43.1 R50.1 U6.1 | length 47.7
  Top Layer w0.254: R50.1 77.47,90.84 77.47,103.502 78.56,104.592 R43.1 R3.2 82.37,110.49 83.64,109.22 88.72,109.22 U6.1
Vy: R40.2 R48.1 R56.1 U6.7 | length 27.1
  Top Layer w0.254: R56.1 98.88,98.345 98.254,98.971 98.254,108.274 U6.7 102.387,109.22 106.617,113.45 R40.2 R48.1
X3in: J13.1 R28.2 | length 38.6
  Top Layer w0.254: J13.1 127,67.31 127,55.88 130.81,52.07 138.85,52.07 R28.2
Y3in: J15.1 R30.2 | length 24.4
  Top Layer w0.254: J15.1 140.322,53.988 150.902,53.988 R30.2
pads on no net: R58.3 VR1.3 VR2.3 VR3.3

## Polygon pours and split planes (outlines as drawn)
GND on Bottom Layer "NONET_L-01_P-001" (solid, pour order 1): 0,134.62 232.41,134.62 232.41,15.24 0,15.24
GND on Top Layer "GND_L01_P000" (solid, pour order 0): 232.41,134.62 0,134.62 0,72.39 0,15.24 232.41,15.24

## Silkscreen, mask and mechanical layers (free items; w line width, h text height)
Top Overlay:
  drawing of 101 lines, arcs and shapes, not listed
  text "NeuTronic" at 194.91,118.71 h3
  text "GND" at 213.614,99.314 h2
  text "Gilbert" at 194.056,89.154 h1.52 r90
  text "Cell" at 196.596,89.154 h1.52 r90
  text "POWER" at 43.434,82.804 h1.52
  text "Subtractor" at 51.054,75.184 h1.52
  text "Log" at 70.358,67.564 h1.52 r90
  text "Int" at 204.724,67.564 h1.52
  text "diff" at 222.504,67.564 h1.52
  text "Multiplier" at 72.898,63.754 h1.52 r90
  text "Adder" at 25.654,37.084 h1.52

## Text inside footprints (layer, text, board x,y; h text height)
R58: Mechanical 13 "PCB EDGE" at 105.98,25.525 h1.02
VR1: Mechanical 13 "PCB EDGE" at 32.72,25.525 h1.02
VR2: Mechanical 13 "PCB EDGE" at 67.01,25.525 h1.02
VR3: Mechanical 13 "PCB EDGE" at 152.1,25.525 h1.02